# Altium PCB NewBee.PcbDoc (continued)
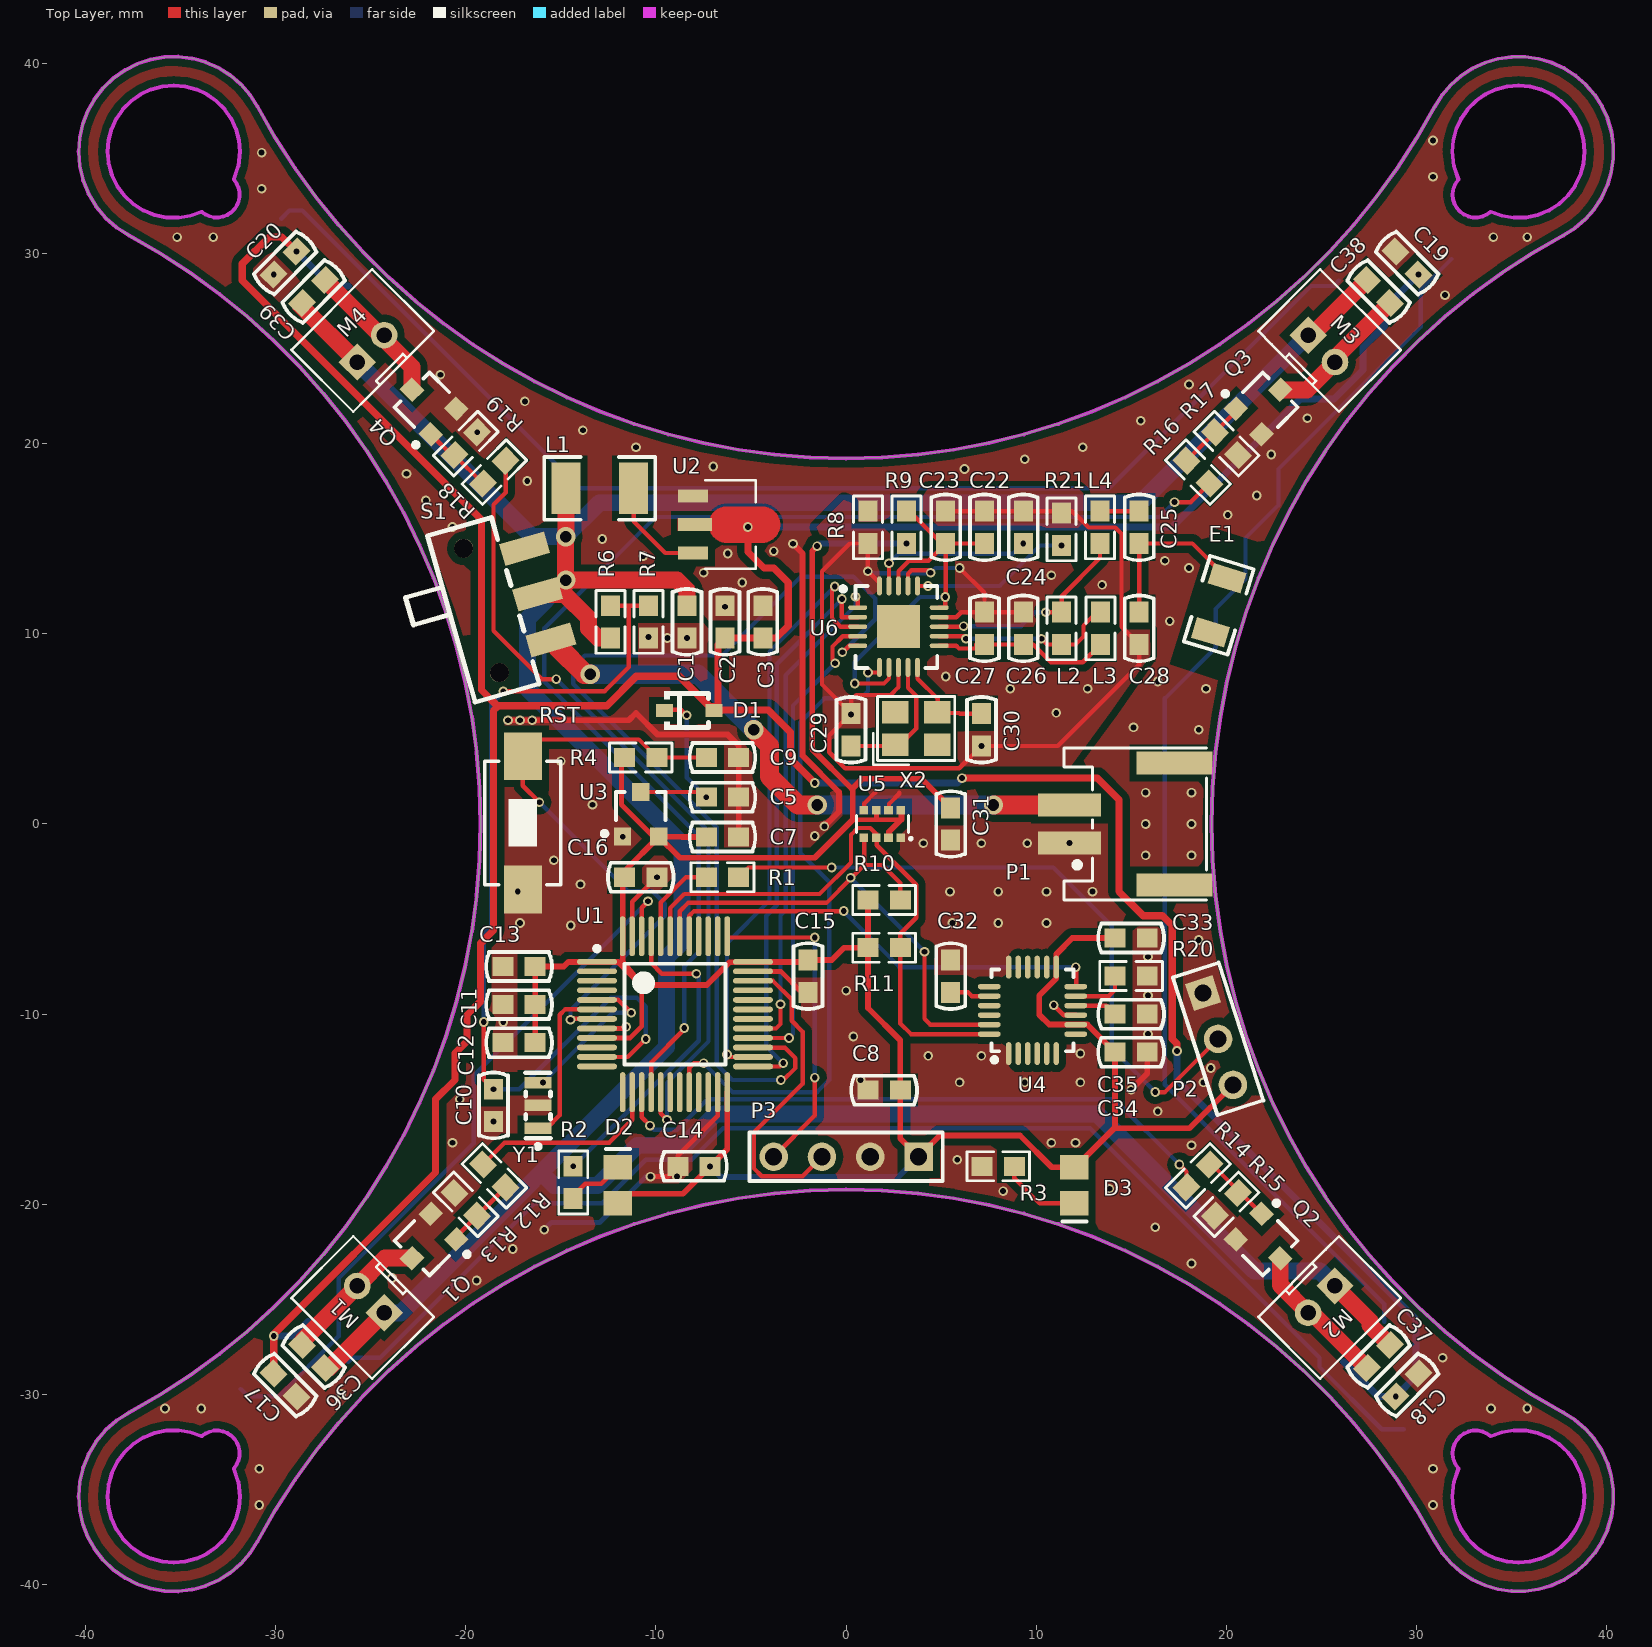
[diagram p0: Top Layer view]
## Footprints (in the part's own frame and the unit in brackets; to place one, negate y for a bottom-side part, rotate by r counter-clockwise, add the part's x,y. Pads: shape width x height; smd on the part's side, far side on the other; paste and mask are expansions set on the pad) (continued)
  silkscreen extent -128,-92 -23,92, body extent -137,-85 24,85, height 63
SW-SMD_DEALON_MK-12D04-G2 [mm] "微型拨动开关"
  rect 1.2x2.45 smd: 1(-2.5,-2.813) 2(0,-2.813) 3(2.5,-2.813)
  round 1 hole 1 unplated: ""(-3.4,0.261) ""(3.4,0.261)
  silkscreen extent -4.55,-1.59 4.55,3.91, body extent -4.5,-3.59 4.5,3.86, height 3.82
SW_PB2_A1 [mm]
  rect 2x2.5 smd: 1(0,3.556) 2(0,-3.444)
  silkscreen extent -2,-3.19 2,3.31, body extent -1.93,-3.94 1.92,3.95, height 2.5
X-SMD_4P-L3.2-W2.5-BL [mil]
  rect 55.1x47.2 smd mask+2: 1(-43.3,-33.5) 2(43.3,-33.5) 3(43.3,33.5) 4(-43.3,33.5)
  silkscreen extent -89,-75 80,66, body extent -63,-49 63,49, height 39

## Part data
C1 C2 C3 C5 C7 C8 C9 C10 C11 C12 C13 C14 C15 C16 C17 C18 C19 C20 C22 C23 C24 C25 C26 C27 C28 C29 C30 C31 C32 C33 C34 C35 C36 C37 C38 C39: library part Cap-S, "贴片瓷片电容"
D1: library part Diode-Schottky, "肖特基二极管"
D2 D3: "发光二极管"
D4 D5 D6 D7: "WS2812B 4脚RGB全彩LED"
E1: "2.4G Antenna"
L1 L2 L3 L4: "电感"
M1 M2 M3 M4: library part "Header 2", "接插件"
P1 P2 P3: "接插件"
Q1 Q2 Q3 Q4: "N沟道贴片"
R1 R2 R3 R4 R6 R7 R8 R9 R10 R11 R12 R13 R14 R15 R16 R17 R18 R19 R20 R21: library part Res1, "贴片电阻"
RST: "微动开关"
S1: library part SW-SPDT, "开关"
U1: "STM32F103, 48引脚, 64Kb Flash, 20Kb SRAM"
U2: library part HT7750SA_SOT89
U3: library part XC6206, "稳压芯片"
U5: library part FBM320, "气压计"
U6: library part nRF24L01
X2: library part XTAL-4PIN
Y1: library part XTAL-3PIN, "贴片晶振"

## Via types
v1: diameter 0.508, hole 0.305, Top Layer to Bottom Layer, tented both sides, 197 vias
v2: diameter 1.016, hole 0.61, Top Layer to Bottom Layer, tented both sides, 5 vias
v3: diameter 1.016, hole 0.61, Top Layer to Bottom Layer, 1 vias

## Nets (pads, with @x,y where several pads share a name; then routed paths per layer and width w, separated by ;. In a path a pad name is that pad's centre, name@x,y a point inside that pad or via, vN(x,y) a via of type N, cw(c..) or ccw(c..) an arc to the next point about the centre after c; other vN are vias at no path point)
3.3V: C7.1 C8.1 C11.2 C12.2 C13.2 C14.1 C15.2 C16.2 C31.2 C33.2 C34.2 D2.1 D3.1 P2.3 P3.1 R4.2 R9.2 R10.1 R11.1 U1.1 U1.9 U1.24 U1.36 U1.48 U3.2 U4.8 U4.13 U5.2 U5.6 U5.8 | length 158.9
  Top Layer w0.254: U1.9 -11.349,-11.25 -10.744,-10.645 -10.744,-8.487 ; R4.2 -11.811,3.339 -11.811,1.016 -10.128,-0.667 U3.2 ; 0.348,0.221 1.491,0.221 ; U5.6@1.607,0.725 1.607,0.337 1.491,0.221 ; 2.907,0.24 2.888,0.221 1.491,0.221
  Top Layer w0.305: C12.2 C11.2 C13.2 -14.851,-7.5 -14.601,-7.25 U1.1 -11.981,-7.25 -10.744,-8.487 ; D2.1 -11.6,-19.95 -11.6,-19.439 -8.572,-19.439 v1(-7.15,-18.016) ; C7.1 -8.612,-0.683 U3.2 ; C14.1 -6.25,-17.1 U1.24 ; v1(-1.524,14.614) -1.778,14.36 -1.778,3.937 0.315,1.844 ; R10.1 R11.1 ; U5.2@2.257,-0.725 2.257,-0.41 2.888,0.221 ; 2.907,0.24 U5.8@2.907,0.725 ; R9.2@2.943,14.986 v1(3.179,14.75) ; C31.2 3.97,2.38 0.851,2.38 0.348,1.877 0.348,0.221 -1.651,-1.778 -8.739,-1.778 U3.2 ; C33.2 11.895,-6 11.05,-6.845 U4.13 11.05,-8.127 10.16,-9.017 10.16,-10.033 10.677,-10.55 U4.8 12.686,-10.55 C34.2 14.136,-15.963 14.097,-16.002 ; P2.3 18.06,-16.002 14.097,-16.002 ; U3.2 -11.65,-2.467 C16.2 -11.75,-2.9 U1.48 -11.75,-7.25 -10.762,-8.466 -7.323,-8.466 -6.129,-7.272 -4.942,-7.272 U1.36 -2.1,-7.25 C15.2 -0.754,-7.15 -0.111,-6.506 R11.1 ; R11.1 1.15,-9.677 2.85,-11.377 C8.1 2.85,-16.54 P3.1 4.927,-16.383 9.144,-16.383 10.811,-18.05 D3.1 12.049,-18.05 14.097,-16.002
  Bottom Layer w0.305: v1(-7.15,-18.016) -6.612,-18.555 2.715,-18.555 2.735,-18.575 P3.1 ; v1(-1.524,14.614) -1.388,14.75 v1(3.179,14.75)
5V: C2.2 C3.2 C17.1 C18.1 C19.1 C20.1 D1.1 D4.1 D5.1 D6.1 D7.1 U2.2 | length 216.4
  Top Layer w0.381: C17.1 -29.972,-28.77 -30.099,-28.643 v1(-30.099,-26.924) -30.099,-26.838 -21.59,-18.329 -21.59,-14.478 -20.57,-13.458 -20.57,-12.061 -19.939,-11.43 -19.939,-10.041 -19.219,-9.322 -19.219,-6.265 -18.542,-5.588 -18.542,5.969 -18.288,6.223 -12.573,6.223 -11.031,7.765 -8.781,7.765 -7.176,6.16 -6.795,6.16 D1.1@-6.594,5.959 ; v1(-28.899,30.101) -29.659,30.861 -30.353,30.861 -31.75,29.464 -31.75,28.575 -19.177,16.002 -19.177,7.051 -18.318,6.193 ; U2.2 -5.291,15.748 v1(-5.164,15.621) -5.164,14.308 -4.318,13.462 -3.81,13.462 -3.048,12.7 -3.048,10.414 -3.685,9.777 C3.2 C2.2 -6.731,9.421 -6.731,6.224 D1.1@-6.955,6 ; D1.1@-6.553,6 -4.095,6 -2.921,4.826 -2.921,3.429 v1(-1.651,2.159) ; v1(6.096,2.413) 13.208,2.413 14.351,1.27 14.351,-3.556 15.621,-4.826 16.637,-4.826 17.145,-5.334 17.145,-11.303 17.399,-11.557 v1(17.399,-11.938)
  Bottom Layer w0.381: v1(-30.099,-26.924) -29.045,-26.924 D4.1 ; v1(-28.899,30.101) -27.091,28.293 D7.1 ; v1(-5.164,15.621) 17.145,15.621 23.876,22.352 25.654,22.352 27.178,23.876 27.178,25.057 D6.1 28.293,27.091 v1(30.101,28.899) ; v1(-1.651,2.159) 5.842,2.159 v1(6.096,2.413) ; v1(17.399,-11.938) 17.399,-13.462 29.972,-26.035 29.972,-29.028 v1(28.899,-30.101) 27.98,-30.101 D5.1
BOOT0: R1.1 U1.44 | length 4.7
  Top Layer w0.229: U1.44 -9.75,-4.131 -8.419,-2.8 R1.1
GND: C1.1 C2.1 C3.1 C5.2 C7.2 C8.2 C9.2 C10.1 C11.1 C12.1 C13.1 C14.2 C15.1 C16.1 C17.2 C18.2 C19.2 C20.2 C31.1 C32.1 C33.1 C34.1 C35.2 D4.3 D5.3 D6.3 D7.3 P1.1 P2.1 P3.2 Q1.2 Q2.2 Q3.2 Q4.2 R3.1 R7.2 R8.2 R13.1 R15.1 R17.1 R19.1 R20.1 RST.2 U1.8 U1.23 U1.35 U1.47 U2.1 U3.1 U4.1 U4.9 U4.18 U5.1 U5.5 U5.7 Y1.2 | length 61.7
  Top Layer w0.229: U5.5@0.957,0.725 0.957,1.084 1.524,1.651 ; U5.7@2.257,0.725 2.257,1.058 2.794,1.596 2.794,1.651
  Top Layer w0.254: U1.8 -11.639,-10.75 v1(-11.557,-10.668) ; U1.47 -11.25,-4.1 v1(-9.95,-2.8) ; v1(-10.287,-18.542) -9.392,-18.542 C14.2 -8.85,-17.452 -6.75,-15.352 U1.23 ; U1.35 -3.429,-7.75 -2.329,-8.85 C15.1 ; v1(10.922,-9.525) 11.447,-10.05 U4.9
  Top Layer w0.305: v1(-17.78,5.461) v1(-16.51,5.461) -11.43,5.461 -11.049,5.842 -9.906,4.699 -6.223,4.699 -5.65,4.126 C9.2 C5.2 C7.2 ; v1(-2.794,14.732) -2.286,14.224 -2.286,3.584 -0.381,1.679 -0.381,0.635 v1(-1.143,-0.127) ; v1(14.986,-13.97) 15.836,-13.12 C34.1
  Bottom Layer w0.254: v1(-15.875,-21.336) -15.494,-20.955 -12.954,-20.955 -10.541,-18.542 v1(-10.287,-18.542)
  other v1: -30.861,-35.814 30.861,-35.814 -30.861,-33.909 30.861,-33.909 -35.814,-30.734 -33.909,-30.734 33.909,-30.734 35.814,-30.734 -26.543,-29.972 31.369,-28.067 -19.431,-24.003 -23.876,-23.876 18.161,-23.114 -17.526,-22.352 16.256,-21.209 8.255,-19.304 13.843,-19.177 -8.89,-18.542 5.842,-17.653 18.161,-16.891 -20.701,-16.764 10.795,-16.764 12.065,-16.764 -18.542,-15.65 16.383,-15.113 -20.32,-14.478 5.969,-13.589 9.398,-13.589 12.319,-13.589 18.796,-13.589 0.762,-13.462 19.177,-12.827 4.318,-12.192 7.112,-12.192 12.319,-12.065 0.381,-11.176 15.875,-11.049 -18.034,-10.414 15.875,-9.017 0,-8.763 15.875,-6.985 18.542,-6.096 -14.478,-5.334 -17.145,-5.207 5.588,-5.207 8.001,-5.207 10.541,-5.207 -17.272,-3.556 5.461,-3.556 8.001,-3.556 10.541,-3.556 12.954,-3.556 -13.97,-3.175 -15.367,-1.905 15.748,-1.651 18.161,-1.651 4.064,-1.016 7.112,-1.016 9.525,-1.016 11.742,-1.001 -17.272,-0.762 -11.75,-0.667 -1.651,-0.635 15.748,0 18.161,0 -13.335,1.016 15.748,1.651 18.161,1.651 -15,3.306 18.542,4.953 15.113,5.08 -17.145,5.461 18.923,7.112 16.383,7.493 -9.398,9.779 -8.369,9.777 -10.387,9.827 17.018,10.668 -6.375,11.427 -5.461,12.7 -7.493,13.208 18.034,13.462 16.764,13.843 -10.668,14.097 -6.223,14.224 -3.81,14.351 -12.827,14.986 -20.701,15.621 20.066,16.256 -22.098,17.018 21.59,17.272 -16.764,18.034 -23.114,18.415 6.223,18.669 -6.985,18.796 9.398,19.177 22.352,19.431 -11.049,19.812 12.446,19.812 -19.399,20.601 -13.843,20.701 15.494,21.209 24.257,21.336 -16.891,22.225 18.034,23.114 -21.336,23.622 31.496,27.813 -30.101,28.899 -35.179,30.861 -33.274,30.861 34.036,30.861 35.814,30.861 -30.734,33.401 30.861,34.036 -30.734,35.306 30.861,35.941
INT: U1.41 U4.12 | length 23.8
  Top Layer w0.229: U1.41 -8.25,-4.829 -8.001,-4.58 -0.135,-4.58 v1(-0.127,-4.572) ; U4.12 12.098,-8.55 12.098,-7.552 v1(12.073,-7.526)
  Bottom Layer w0.229: v1(-0.127,-4.572) -0.127,-4.597 2.802,-7.526 v1(12.073,-7.526)
LED: R2.1 U1.45 | length 16.9
  Top Layer w0.229: U1.45 -10.25,-7.314 -9.69,-7.874 v1(-7.874,-7.874)
  Bottom Layer w0.229: v1(-14.351,-17.998) -7.747,-11.394 -7.747,-8.001 v1(-7.874,-7.874)
MISO: U1.27 U6.5 | length 54.6
  Top Layer w0.229: U1.27 -4.879,-11.771 -3.215,-11.771 -2.667,-12.319 -2.667,-12.827 -3.302,-13.462 v1(-3.429,-13.462) ; v1(-0.195,9.035) -0.18,9.035 0.16,9.375 U6.5
  Bottom Layer w0.229: v1(-3.429,-13.462) -5.984,-13.462 -6.801,-12.645 -6.801,-0.184 -14.351,7.366 -14.351,8.255 -13.749,8.857 -6.52,8.857 -2.367,13.01 0.376,13.01 1.532,11.854 1.532,10.762 v1(-0.195,9.035)
MOSI: U1.28 U6.4 | length 25.1
  Top Layer w0.229: U1.28 v1(-3.005,-11.25) ; v1(-0.576,8.45) -0.716,8.59 -0.716,9.338 -0.179,9.875 U6.4
  Bottom Layer w0.229: v1(-3.005,-11.25) -2.794,-11.039 -2.794,6.233 v1(-0.576,8.45)
NetC5_1: C5.1 D1.2 U3.3 | length 9.6
  Top Layer w0.229: U3.3 -7.625,1.683 v1(-7.35,1.408) ; D1.2@-9.555,6 -8.667,6 v1(-8.382,5.715)
  Bottom Layer w0.229: v1(-8.382,5.715) -8.382,2.44 v1(-7.35,1.408)
NetC24_1: C24.1 U6.19 | length 8.7
  Top Layer w0.229: U6.19 v1(2.254,13.708)
  Bottom Layer w0.229: v1(2.254,13.708) 2.756,14.21 8.776,14.21 v1(9.316,14.75)
NetC25_1: C25.1 C28.2 E1.1 | length 9
  Top Layer w0.229: C28.2 15.411,12.921 C25.1 18.211,14.75 E1.1
NetC25_2: C25.2 L4.2 | length 2.1
  Top Layer w0.229: L4.2 C25.2
NetC26_1: C26.1 C27.1 L3.1 U6.11 | length 9.5
  Top Layer w0.229: U6.11 5.786,9.375 5.936,9.225 6.828,9.225 6.828,9.439 C27.1 C26.1 9.838,9.439 10.775,8.501 12.439,8.501 L3.1
NetC29_2: C29.2 U6.9 X2.1 | length 7.2
  Top Layer w0.229: C29.2 2.766,4.105 3.683,5.021 3.683,6.731 3.254,7.16 U6.9
NetC30_2: C30.2 U6.10 X2.3 | length 5.1
  Top Layer w0.229: U6.10 3.754,7.642 4.825,6.571 4.825,5.839 5.951,5.839 5.986,5.805 C30.2
NetC32_2: C32.2 U4.20 | length 2.1
  Top Layer w0.229: C32.2 6.409,-8.85 6.609,-9.05 U4.20
NetC35_1: C35.1 U4.10 | length 2.2
  Top Layer w0.229: U4.10 13.686,-9.55 C35.1
NetC36_2: C36.2 M1.2 Q1.3 | length 7.8
  Top Layer w0.229: C36.2 C36.2@-28.601,-27.187
  Top Layer w0.889: C36.2@-28.601,-27.187 M1.2 -24.245,-22.831 Q1.3
NetC37_2: C37.2 M2.2 Q2.3 | length 7.8
  Top Layer w0.229: M2.2 M2.2@24.505,-25.707
  Top Layer w0.889: Q2.3 22.831,-24.245 M2.2 ; M2.2@24.505,-25.707 C37.2
NetC38_2: C38.2 M3.2 Q3.3 | length 7.8
  Top Layer w0.229: M3.2 M3.2@25.707,24.505
  Top Layer w0.889: Q3.3 24.245,22.831 M3.2 ; M3.2@25.707,24.505 C38.2
NetC39_2: C39.2 M4.2 Q4.3 | length 7.7
  Top Layer w0.889: C39.2 -22.831,24.033 Q4.3
NetD2_2: D2.2 R2.2 | length 3.1
  Top Layer w0.229: R2.2 -14.351,-19.558 -13.716,-18.923 -12.873,-18.923 D2.2
NetD3_2: D3.2 R3.2 | length 4.3
  Top Layer w0.229: R3.2 8.85,-18.626 10.174,-19.95 D3.2
NetD4_2: D4.2 D5.4 | length 67.4
  Bottom Layer w0.229: D4.2 -25.946,-28.067 -24.511,-28.067 -16.383,-19.939 -12.827,-19.939 -10.541,-17.653 -8.128,-17.653 -6.477,-16.002 12.827,-16.002 24.892,-28.067 24.892,-28.549 28.171,-31.828 D5.4@29.326,-31.828
NetD5_2: D5.2 D6.4 | length 66.9
  Bottom Layer w0.229: D5.2 28.293,-25.245 16.764,-13.716 16.764,6.604 19.431,9.271 19.431,11.303 21.006,12.878 21.006,15.037 22.738,16.769 22.738,18.669 30.226,26.157 30.226,28.105 D6.4
NetD6_2: D6.2 D7.4 | length 66.4
  Bottom Layer w0.229: D7.4 -29.278,32.258 -28.601,32.258 -13.996,17.653 13.81,17.653 24.45,28.293 25.791,28.293 25.791,28.451 D6.2@25.902,28.562
NetL1_2: L1.2 U2.3 | length 5.5
  Top Layer w0.229: L1.2 -11.176,15.918 -9.505,14.247 U2.3
NetL2_1: L2.1 L4.1 U6.13 | length 11.2
  Top Layer w0.229: U6.13 6.149,10.375 v1(6.18,10.406) ; v1(10.504,11.139) L2.1 11.334,11.979 13.352,13.997 L4.1
  Bottom Layer w0.229: v1(6.18,10.406) 9.203,10.406 9.935,11.139 v1(10.504,11.139)
NetL2_2: L2.2 L3.2 U6.12 | length 9.7
  Top Layer w0.229: U6.12 6.178,9.875 v1(6.307,9.746) ; v1(10.267,9.746) 10.574,9.439 L2.2 12.063,9.439 12.482,9.857 12.482,10.432 13.189,11.139 L3.2
  Bottom Layer w0.229: v1(6.307,9.746) v1(10.267,9.746)
NetP1_2: P1.2 S1.1 | length 33.5
  Top Layer w1.016: v2(-13.462,7.874) v2@-13.676,7.874 ; v2(-4.865,4.953) -4.026,4.114 -4.026,2.502 -2.525,1.001 v2(-1.524,1.001) ; v2(7.747,1.001) P1.2 ; v2@-13.676,7.874 -15.156,9.354 -15.202,9.308 -13.768,7.874 v2@-13.676,7.874
  Bottom Layer w1.016: v2(-13.462,7.874) -7.786,7.874 v2(-4.865,4.953) ; v2(-1.524,1.001) v2(7.747,1.001) ; -0.762,1.016 -0.754,1.008
NetP2_2: P2.2 R1.2 | length 35.2
  Top Layer w0.229: R1.2 -5.136,-2.286 v1(-0.762,-2.286) ; v1(16.256,-14.097) 16.764,-14.097 P2.2
  Bottom Layer w0.229: v1(-0.762,-2.286) 10.896,-2.286 13.97,-5.36 13.97,-11.811 v1(16.256,-14.097)
NetQ1_1: Q1.1 R12.2 R13.2 | length 3.9
  Top Layer w0.229: Q1.1@-20.439,-21.841 Q1.1 -20.497,-21.699 R13.2 R12.2
NetQ2_1: Q2.1 R14.2 R15.2 | length 3.8
  Top Layer w0.229: R14.2 19.242,-17.899 Q2.1
NetQ3_1: Q3.1 R16.2 R17.2 | length 3.8
  Top Layer w0.229: R16.2 20.497,21.699 Q3.1
NetQ4_1: Q4.1 R18.2 R19.2 | length 3.8
  Top Layer w0.229: Q4.1 -20.742,19.399 R19.2 R18.2
NetR20_2: R20.2 U4.11 | length 2.9
  Top Layer w0.229: U4.11 13.806,-9.05 14.136,-8.72 R20.2
NetR21_1: R21.1 U6.16 | length 8.5
  Top Layer w0.229: U6.16 v1(4.309,12.518) v1@4.318,12.509
  Bottom Layer w0.229: v1(4.309,12.518) 8.073,12.518 10.201,14.646 v1(11.334,14.646)
NetU1_5: U1.5 Y1.3 | length 8.7
  Top Layer w0.229: Y1.3@-16.394,-13.589 v1(-15.939,-13.589) ; U1.5 -11.981,-9.25 v1(-11.303,-9.928)
  Bottom Layer w0.229: v1(-15.939,-13.589) -12.278,-9.928 v1(-11.303,-9.928)
NetU1_6: U1.6 Y1.1 | length 8.8
  Top Layer w0.229: Y1.1 -15.745,-15.999 -15.054,-15.308 -15.054,-10.029 -14.775,-9.75 U1.6
PWM1: R12.1 U1.14 | length 10.3
  Top Layer w0.229: R12.1 -17.966,-16.764 -12.461,-16.764 -11.25,-15.553 U1.14
PWM2: R14.1 U1.15 | length 33.3
  Top Layer w0.229: U1.15 -10.75,-15.426 v1(-10.314,-15.861) ; v1(17.526,-17.907) 17.899,-18.28 R14.1
  Bottom Layer w0.229: v1(-10.314,-15.861) -10.098,-16.077 -8.891,-16.077 -7.292,-14.478 14.097,-14.478 v1(17.526,-17.907)
PWM3: R16.1 U1.16 | length 66.9
  Top Layer w0.229: U1.16 -10.25,-12.536 -8.506,-10.792 v1(-8.506,-10.73) ; v1(17.272,16.926) 18.128,16.926 R16.1
  Bottom Layer w0.229: v1(-8.506,-10.73) -8.506,-7.493 -7.747,-6.734 -7.747,-0.635 -15.875,7.493 -15.875,10.287 -10.02,16.142 16.487,16.142 v1(17.272,16.926)
PWM4: R18.1 U1.17 | length 42.5
  Top Layer w0.229: R18.1 -17.899,17.431 -18.542,16.788 -18.542,10.16 -16.002,7.62 v1(-15.24,7.62) ; U1.17 -9.75,-15.218 v1(-9.416,-15.553)
  Bottom Layer w0.229: v1(-15.24,7.62) -7.239,-0.381 -7.239,-11.43 -9.416,-13.607 v1(-9.416,-15.553)
RESET: C9.1 R4.1 RST.1 U1.7 | length 31.6
  Top Layer w0.229: v1(-16.129,1.143) -17,2.014 RST.1 -16.111,4.445 -10.895,4.445 R4.1 C9.1 ; v1(-14.496,-10.295) -14.451,-10.25 U1.7
  Bottom Layer w0.229: v1(-16.129,1.143) -11.463,-3.523 -10.193,-3.523 -9.525,-4.191 -9.525,-4.826 -14.496,-9.797 v1(-14.496,-10.295)
RF_3.3V: C22.2 C23.2 R9.1 U6.7 U6.15 U6.18 | length 22.2
  Top Layer w0.229: v1(0.452,7.392) 1.989,7.392 2.254,7.657 U6.7 ; U6.18 2.754,13.295 3.302,13.843 4.332,13.843 C23.2 ; R9.1 3.335,16.45 5.035,14.75 C23.2 ; U6.15 5.215,11.375 v1(5.215,11.938) 5.239,11.962 C23.2 ; C22.2 C23.2
  Bottom Layer w0.229: v1(0.452,7.392) 0.452,8.514 3.876,11.938 v1(5.215,11.938)
RF_CE: U1.29 U6.1 | length 26.4
  Top Layer w0.229: U1.29 -3.683,-10.75 -3.447,-10.514 v1(-3.447,-9.482) ; v1(0.49,11.956) 0.611,11.956 U6.1
  Bottom Layer w0.229: v1(-3.447,-9.482) -3.447,-4.801 -3.175,-4.529 -3.175,7.831 0.49,11.496 v1(0.49,11.956)
RF_CSN: U1.25 U6.2 | length 29.9
  Top Layer w0.229: U1.25 -3.479,-12.75 v1(-3.302,-12.573) ; v1(-0.221,11.829) -0.221,10.875 U6.2
  Bottom Layer w0.229: v1(-3.302,-12.573) -3.327,-12.573 -4.191,-11.709 -4.191,-4.821 -3.645,-4.275 -3.645,8.405 v1(-0.221,11.829)
RF_GND: C22.1 C23.1 C24.2 C26.2 C27.2 C28.1 C29.1 C30.1 R8.1 R21.2 U6.8 U6.14 U6.17 U6.20 | length 70.9
  Top Layer w0.229: U6.20 1.754,12.682 v1(1.145,13.291) R8.1 0.186,14.75 -1.27,13.294 -1.27,7.337 C29.1 ; U6.8 2.754,7.199 2.342,6.787 0.529,6.787 0.262,6.52 C29.1 ; U6.17 3.254,13.16 3.429,13.335 4.318,13.335 v1(4.445,13.208) ; U6.14 5.789,10.875 6.053,11.139 C27.2 ; C23.1 11.896,16.45 12.759,15.588 14.156,15.588 14.478,15.265 14.478,10.372 C28.1 15.411,8.383 11.133,4.105 v1(7.12,4.105) 5.949,2.934 -0.053,2.934 -0.889,3.77 -0.889,4.654 C29.1 ; v1(5.969,13.462) 7.274,12.157 C27.2 ; C26.2 C27.2
  Bottom Layer w0.229: v1(1.145,13.291) 1.248,13.188 4.425,13.188 v1(4.445,13.208) 4.699,13.462 v1(5.969,13.462)
  other v1: 0.262,5.755 11.049,5.842 8.636,7.112 12.7,7.112 5.243,7.759 13.462,12.573 10.795,13.081
RF_IRQ: U1.20 U6.6 | length 35.2
  Top Layer w0.229: U1.20 -8.25,-12.822 -8.001,-12.573 v1(-7.493,-12.573) ; v1(1.151,7.968) 1.754,7.968 U6.6
  Bottom Layer w0.229: v1(-7.493,-12.573) -5.969,-14.097 -1.524,-14.097 -0.889,-13.462 -0.889,-3.048 -2.413,-1.524 -2.413,5.334 -1.143,6.604 0.762,6.604 1.151,6.993 v1(1.151,7.968)
RGB: D4.4 U1.46 | length 38.2
  Top Layer w0.229: U1.46 -10.75,-4.4 v1(-10.414,-4.064)
  Bottom Layer w0.229: D4.4 -31.437,-30.099 -29.845,-30.099 -26.688,-26.942 -26.688,-23.894 -19.576,-16.782 -19.576,-13.226 v1(-10.414,-4.064)
SCK: U1.26 U6.3 | length 31.6
  Top Layer w0.229: v1(-6.266,-12.124) -6.14,-12.25 U1.26 ; v1(-0.602,12.489) -0.742,12.349 -0.742,10.819 -0.297,10.375 U6.3
  Bottom Layer w0.229: v1(-6.266,-12.124) -6.266,-6.266 -4.026,-4.026 -4.026,9.065 v1(-0.602,12.489)
SCL: R10.2 U1.42 U4.23 U5.4 | length 29.3
  Top Layer w0.229: U1.42 -8.75,-4.591 -8.307,-4.148 -1.034,-4.148 v1@0.262,-2.853 ; v1(0.236,-2.827) v1@0.262,-2.853 ; U5.4@0.957,-0.725 0.957,-2.107 1.008,-2.158 ; R10.2 2.85,-3.104 1.904,-2.158 1.008,-2.158 ; v1(4.123,-6.713) 4.123,-10.244 4.429,-10.55 U4.23 ; v1@0.262,-2.853 0.957,-2.158 1.008,-2.158
  Bottom Layer w0.229: v1(0.236,-2.827) v1(4.123,-6.713)
SDA: R11.2 U1.43 U4.24 U5.3 | length 31.1
  Top Layer w0.229: U1.43 -9.25,-4.424 -8.509,-3.683 -1.397,-3.683 0.254,-2.032 0.254,-0.574 0.617,-0.211 1.27,-0.211 1.607,-0.548 1.607,-1.112 3.691,-3.196 3.691,-4.935 2.85,-5.776 R11.2 2.85,-10.489 3.411,-11.05 U4.24
SWCLK: P3.4 U1.37 | length 17.3
  Top Layer w0.229: U1.37@-6.25,-6.053 U1.37 -6.181,-5.969 v1(-1.651,-5.969) ; P3.4 -1.643,-15.333 -1.651,-15.326 v1(-1.651,-13.335)
  Bottom Layer w0.229: v1@-1.78,-13.335 v1(-1.651,-13.335) v1(-1.651,-5.969)
SWDIO: P3.3 U1.34 | length 16.8
  Top Layer w0.229: U1.34 -3.84,-8.25 -2.862,-9.228 -2.862,-10.351 -2.286,-10.927 -2.286,-13.655 -4.844,-16.213 -4.844,-18.118 -4.437,-18.524 -2.294,-18.524 P3.3
VBAT: C1.2 C36.1 C37.1 C38.1 C39.1 L1.1 M1.1 M2.1 M3.1 M4.1 R6.1 S1.2 | length 190.1
  Top Layer w0.889: C39.1 -28.707,27.293 M4.1 ; C36.1 -27.187,-28.601 M1.1 ; S1.2 S1.2@-15.264,12.078 ; v2(-14.749,15.113) -14.749,12.593 S1.2@-15.264,12.078 ; v2@-14.732,15.113 L1.1 ; v3@-14.515,12.827 -8.89,12.827 -8.369,12.306 C1.2 ; R6.1 -13.054,9.777 -13.556,10.279 -13.556,10.838 -14.796,12.078 S1.2@-15.264,12.078 ; M3.1 24.505,25.707 C38.1 ; M2.1 27.559,-26.144 27.559,-26.356 C37.1
  Bottom Layer w0.889: M4.1 -16.527,15.113 v2(-14.749,15.113) -12.971,16.891 15.477,16.891 M3.1 ; M1.1 -23.421,-25.707 -9.441,-11.727 -9.441,-7.028 -8.636,-6.223 -8.636,-1.016 -16.764,7.112 -16.764,10.795 v3(-14.732,12.827) ; -15.621,-18.754 -15.367,-19.008 -13.081,-19.008 -10.964,-16.891 -8.509,-16.891 -6.858,-15.24 13.208,-15.24 21.463,-23.495 24.909,-23.495 M2.1
VBAT_T: C10.2 R6.2 R7.1 U1.11 | length 48.7
  Top Layer w0.229: v1(-19.05,-10.414) -19.05,-13.442 v1(-18.542,-13.95) ; v1(-18.034,6.985) -12.7,6.985 -11.43,8.255 -11.43,11.477 ; U1.11 -11.488,-12.25 v1(-10.541,-11.303) ; R6.2 -11.397,11.477 R7.1
  Bottom Layer w0.229: v1(-19.05,-10.414) -19.05,-5.715 -18.669,-5.334 -18.669,6.289 -18.034,6.924 v1(-18.034,6.985) ; v1(-18.542,-13.95) -17.187,-13.95 -12.381,-9.144 -10.998,-9.144 -10.541,-9.601 v1(-10.541,-11.303)
pads on no net: D7.2 E1.0 P1.3 P1.4 S1. S1.3 U1.2 U1.3 U1.4 U1.10 U1.12 U1.13 U1.18 U1.19 U1.21 U1.22 U1.30 U1.31 U1.32 U1.33 U1.38 U1.39 U1.40 U4.2 U4.3 U4.4 U4.5 U4.6 U4.7 U4.14 U4.15 U4.16 U4.17 U4.19 U4.21 U4.22 U6.0 X2.2 X2.4

## Polygon pours and split planes (outlines as drawn)
GND on Top Layer "Top Layer-No Net" (solid, remove dead copper, pour order 6): -17.145,-26.416 -14.478,-23.749 7.747,-23.749 12.7,-23.749 30.607,-41.656 32.131,-43.18 42.164,-43.18 43.942,-41.402 43.942,-33.147 43.942,-32.639 37.465,-26.162 24.257,-12.954 22.281,6.633 16.998,8.403 19.223,15.595 24.58,13.912 44.45,33.782 44.958,34.29 44.958,42.418 42.926,44.45 42.037,44.45 32.766,44.45 31.242,42.926 16.256,27.94 16.256,27.559 13.335,24.638 2.54,24.638 -11.938,24.638 -13.589,26.289 -30.734,43.434 -31.496,43.434 -39.624,43.434 -40.132,42.926 -43.307,39.751 -43.307,32.512 -43.307,29.718 -24.765,11.176 -24.765,-11.303 -38.862,-25.4 -43.434,-29.972 -43.434,-39.624 -39.37,-43.688 -39.37,-44.069 -31.115,-44.069 -30.48,-44.704
RF_GND on Top Layer "Top Layer-No Net" (solid, remove dead copper, pour order 4): 1.627,17.653 14.15,17.653 15.958,16.247 15.981,8.883 13.97,5.969 11.8,3.048 0.357,3.048 -1.929,5.334 -1.929,15.24 0.484,17.653
GND on Bottom Layer "Top Layer-No Net" (solid, remove dead copper, pour order 8): -17.145,-26.416 -14.478,-23.749 7.747,-23.749 12.7,-23.749 30.607,-41.656 32.131,-43.18 42.164,-43.18 43.942,-41.402 43.942,-33.147 43.942,-32.639 37.465,-26.162 24.257,-12.954 22.281,6.633 16.998,8.403 19.223,15.595 24.58,13.912 44.45,33.782 44.958,34.29 44.958,42.418 42.926,44.45 42.037,44.45 32.766,44.45 31.242,42.926 16.256,27.94 16.256,27.559 13.335,24.638 2.54,24.638 -11.938,24.638 -13.589,26.289 -30.734,43.434 -31.496,43.434 -39.624,43.434 -40.132,42.926 -43.307,39.751 -43.307,32.512 -43.307,29.718 -24.765,11.176 -24.765,-11.303 -38.862,-25.4 -43.434,-29.972 -43.434,-39.624 -39.37,-43.688 -39.37,-44.069 -31.115,-44.069 -30.48,-44.704
RF_GND on Bottom Layer "Top Layer-No Net" (solid, remove dead copper, pour order 2): 1.651,17.653 15.981,17.653 15.981,8.883 13.742,5.655 11.8,3.048 0.381,3.048 -1.905,5.334 -1.905,15.24 0.508,17.653

## Keep-outs
Keep-Out Layer:
  lines w0.203: -40.355,-35.355 -40.296,-34.589 -40.12,-33.84 -39.832,-33.128 -39.437,-32.468 -38.946,-31.876 -38.37,-31.367 -37.723,-30.952 -36.081,-30.011 -34.491,-28.982 -32.959,-27.87 -31.49,-26.677 -30.086,-25.407 -28.754,-24.063 -27.495,-22.648 -26.314,-21.169 -25.215,-19.628 -24.201,-18.029 -23.274,-16.379 -22.437,-14.681 -21.692,-12.941 -21.043,-11.162 -20.49,-9.352 -20.036,-7.514 -19.681,-5.655 -19.427,-3.779 -19.274,-1.892 -19.223,0 -19.274,1.892 -19.427,3.779 -19.681,5.655 -20.036,7.514 -20.49,9.352 -21.043,11.162 -21.692,12.941 -22.437,14.681 -23.274,16.379 -24.201,18.029 -25.215,19.628 -26.314,21.169 -27.495,22.648 -28.754,24.062 -30.086,25.407 -31.49,26.677 -32.959,27.87 -34.491,28.982 -36.081,30.01 -37.723,30.952 -38.37,31.367 -38.946,31.876 -39.437,32.468 -39.832,33.128 -40.12,33.84 -40.296,34.589 -40.355,35.355 -40.301,36.088 -40.14,36.805 -39.876,37.491 -39.514,38.131 -39.062,38.711 -38.53,39.218 -37.93,39.642 -37.274,39.973 -36.576,40.204 -35.852,40.331 -35.118,40.35 -34.388,40.261 -33.679,40.066 -33.007,39.769 -32.385,39.377 -31.828,38.899 -31.346,38.343 -30.952,37.723 -30.01,36.081 -28.982,34.491 -27.87,32.959 -26.677,31.49 -25.407,30.086 -24.062,28.754 -22.648,27.495 -21.169,26.314 -19.628,25.215 -18.029,24.201 -16.379,23.274 -14.681,22.437 -12.941,21.692 -11.162,21.043 -9.352,20.49 -7.514,20.036 -5.655,19.681 -3.779,19.427 -1.892,19.274 0,19.223 1.892,19.274 3.779,19.427 5.655,19.681 7.514,20.036 9.352,20.49 11.162,21.043 12.941,21.692 14.681,22.437 16.379,23.274 18.029,24.201 19.628,25.215 21.169,26.314 22.648,27.495 24.063,28.754 25.407,30.086 26.677,31.49 27.87,32.959 28.982,34.491 30.011,36.081 30.952,37.723 31.335,38.328 31.801,38.871 32.339,39.343 32.939,39.733 33.589,40.033 34.275,40.237 34.984,40.341 35.7,40.343 36.408,40.243 37.096,40.043 37.747,39.746 38.35,39.36 38.891,38.891 39.36,38.35 39.746,37.747 40.043,37.096 40.243,36.408 40.344,35.7 40.342,34.984 40.237,34.276 40.033,33.589 39.733,32.939 39.343,32.339 38.871,31.8 38.328,31.335 37.723,30.952 36.081,30.01 34.491,28.982 32.959,27.87 31.49,26.677 30.086,25.407 28.754,24.062 27.495,22.648 26.314,21.169 25.215,19.628 24.201,18.029 23.274,16.379 22.437,14.681 21.692,12.941 21.043,11.162 20.49,9.352 20.036,7.514 19.681,5.655 19.427,3.779 19.274,1.892 19.223,0 19.274,-1.892 19.427,-3.779 19.681,-5.655 20.036,-7.514 20.49,-9.352 21.043,-11.162 21.692,-12.941 22.437,-14.681 23.274,-16.379 24.201,-18.029 25.215,-19.628 26.314,-21.169 27.495,-22.648 28.754,-24.063 30.086,-25.407 31.49,-26.677 32.959,-27.87 34.491,-28.982 36.081,-30.011 37.723,-30.952 38.328,-31.335 38.871,-31.801 39.343,-32.339 39.733,-32.939 40.033,-33.589 40.237,-34.275 40.342,-34.984 40.344,-35.7 40.243,-36.408 40.043,-37.096 39.746,-37.747 39.36,-38.35 38.891,-38.891 38.35,-39.36 37.747,-39.746 37.096,-40.043 36.408,-40.243 35.7,-40.343 34.984,-40.342 34.275,-40.237 33.589,-40.033 32.939,-39.733 32.339,-39.343 31.801,-38.871 31.335,-38.328 30.952,-37.723 30.011,-36.081 28.982,-34.491 27.87,-32.959 26.677,-31.49 25.407,-30.086 24.063,-28.754 22.648,-27.495 21.169,-26.314 19.628,-25.215 18.029,-24.201 16.379,-23.274 14.681,-22.437 12.941,-21.692 11.162,-21.043 9.352,-20.49 7.514,-20.036 5.655,-19.681 3.779,-19.427 1.892,-19.274 0,-19.223 -1.892,-19.274 -3.779,-19.427 -5.655,-19.681 -7.514,-20.036 -9.352,-20.49 -11.162,-21.043 -12.941,-21.692 -14.681,-22.437 -16.379,-23.274 -18.029,-24.201 -19.628,-25.215 -21.169,-26.314 -22.648,-27.495 -24.062,-28.754 -25.407,-30.086 -26.677,-31.49 -27.87,-32.959 -28.982,-34.491 -30.01,-36.081 -30.952,-37.723 -31.346,-38.343 -31.828,-38.899 -32.385,-39.377 -33.007,-39.769 -33.679,-40.066 -34.388,-40.261 -35.118,-40.35 -35.852,-40.331 -36.576,-40.204 -37.274,-39.973 -37.93,-39.642 -38.53,-39.218 -39.062,-38.711 -39.514,-38.131 -39.876,-37.491 -40.14,-36.805 -40.301,-36.088 -40.355,-35.355 ; -38.835,-35.355 -38.778,-34.725 -38.607,-34.115 -38.328,-33.546 -37.951,-33.037 -37.488,-32.605 -36.954,-32.264 -36.367,-32.026 -35.747,-31.897 -35.114,-31.884 -34.489,-31.985 -33.892,-32.198 -33.696,-32.056 -33.476,-31.956 -33.24,-31.902 -32.998,-31.896 -32.76,-31.939 -32.536,-32.03 -32.334,-32.163 -32.163,-32.334 -32.03,-32.536 -31.939,-32.76 -31.896,-32.998 -31.902,-33.24 -31.956,-33.476 -32.056,-33.697 -32.198,-33.892 -31.957,-34.606 -31.875,-35.355 -31.928,-35.96 -32.085,-36.546 -32.342,-37.095 -32.689,-37.592 -33.118,-38.021 -33.615,-38.369 -34.165,-38.625 -34.751,-38.782 -35.355,-38.835 -35.96,-38.782 -36.546,-38.625 -37.095,-38.369 -37.592,-38.021 -38.021,-37.592 -38.369,-37.095 -38.625,-36.546 -38.782,-35.96 -38.835,-35.355 ; -38.835,35.355 -38.778,34.725 -38.607,34.115 -38.328,33.546 -37.951,33.037 -37.488,32.605 -36.954,32.264 -36.367,32.026 -35.747,31.897 -35.114,31.884 -34.489,31.985 -33.892,32.198 -33.696,32.056 -33.476,31.956 -33.24,31.902 -32.998,31.896 -32.76,31.939 -32.536,32.03 -32.334,32.163 -32.163,32.334 -32.03,32.536 -31.939,32.76 -31.896,32.998 -31.902,33.24 -31.956,33.476 -32.056,33.696 -32.198,33.892 -31.957,34.606 -31.875,35.355 -31.928,35.96 -32.085,36.546 -32.342,37.095 -32.689,37.592 -33.118,38.021 -33.615,38.369 -34.165,38.625 -34.751,38.782 -35.355,38.835 -35.96,38.782 -36.546,38.625 -37.095,38.369 -37.592,38.021 -38.021,37.592 -38.369,37.095 -38.625,36.546 -38.782,35.96 -38.835,35.355 ; 31.875,-35.355 31.957,-34.606 32.198,-33.892 32.032,-33.653 31.928,-33.381 31.893,-33.093 31.919,-32.843 31.996,-32.605 32.121,-32.388 32.288,-32.202 32.491,-32.054 32.719,-31.952 32.964,-31.899 33.215,-31.899 33.46,-31.95 33.689,-32.051 33.892,-32.198 34.489,-31.985 35.114,-31.884 35.747,-31.897 36.367,-32.026 36.954,-32.264 37.488,-32.605 37.951,-33.037 38.328,-33.546 38.607,-34.115 38.778,-34.725 38.835,-35.355 38.782,-35.96 38.625,-36.546 38.369,-37.095 38.021,-37.592 37.592,-38.021 37.095,-38.369 36.546,-38.625 35.96,-38.782 35.355,-38.835 34.751,-38.782 34.165,-38.625 33.615,-38.369 33.118,-38.021 32.69,-37.592 32.342,-37.095 32.085,-36.546 31.928,-35.96 31.875,-35.355 ; 31.875,35.355 31.957,34.606 32.198,33.892 32.032,33.653 31.928,33.381 31.893,33.093 31.919,32.844 31.996,32.605 32.121,32.388 32.288,32.202 32.491,32.054 32.719,31.952 32.964,31.899 33.215,31.899 33.46,31.95 33.689,32.051 33.892,32.198 34.489,31.985 35.114,31.884 35.747,31.897 36.367,32.026 36.954,32.264 37.488,32.605 37.951,33.037 38.328,33.546 38.607,34.115 38.778,34.725 38.835,35.355 38.782,35.96 38.625,36.546 38.369,37.095 38.021,37.592 37.592,38.021 37.095,38.369 36.546,38.625 35.96,38.782 35.355,38.835 34.751,38.782 34.165,38.625 33.615,38.369 33.118,38.021 32.69,37.592 32.342,37.095 32.085,36.546 31.928,35.96 31.875,35.355